# Altium PCB PCB.PcbDoc (continued)
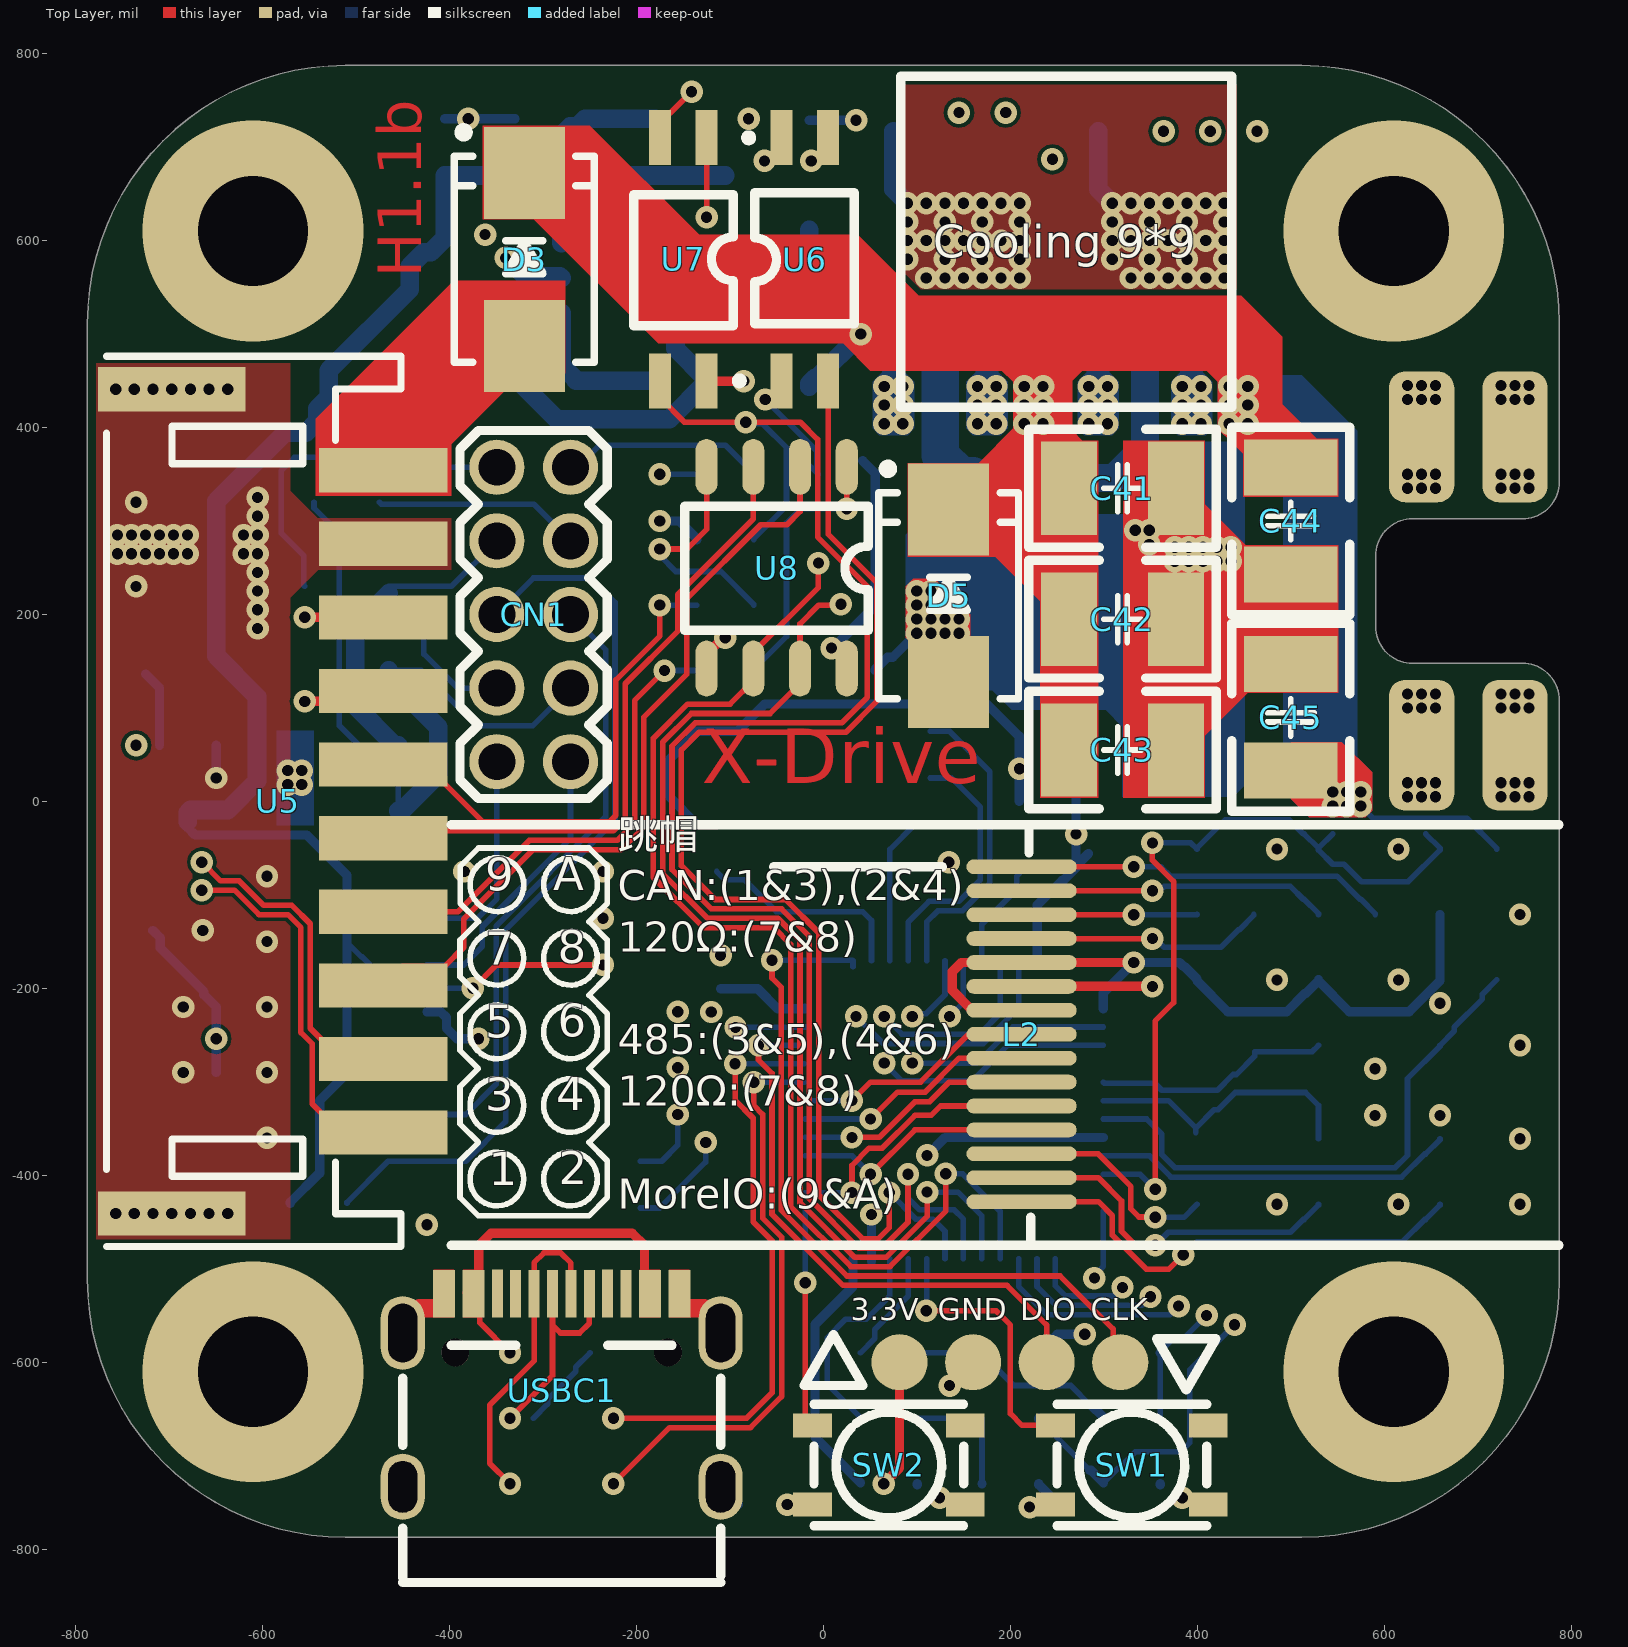
[diagram p0: Top Layer view]
## Footprints (in the part's own frame and the unit in brackets; to place one, negate y for a bottom-side part, rotate by r counter-clockwise, add the part's x,y. Pads: shape width x height; smd on the part's side, far side on the other; paste and mask are expansions set on the pad)
0603_C [mm]
  rect 0.93x0.98 smd: 1(-0.77,0) 2(0.77,0)
  silkscreen extent -1.53,-0.79 1.54,0.79, body extent -0.8,-0.4 0.8,0.4, height 0.3
0603_R [mm]
  rect 0.93x0.98 smd: 1(-0.77,0) 2(0.77,0)
  silkscreen extent -1.53,-0.79 1.54,0.79, body extent -0.85,-0.4 0.85,0.4, height 0.56
0805_R [mm]
  rect 1.16x1.47 smd: 1(-0.89,0) 2(0.89,0)
  silkscreen extent -1.77,-1.04 1.77,1.03, body extent -1,-0.63 1,0.62, height 0.49
1206_C [mm]
  rect 1.13x1.8 smd: 1(-1.49,0) 2(1.49,0)
  silkscreen extent -2.36,-1.2 2.35,1.2, body extent -1.6,-0.81 1.6,0.79, height 1
1206_R [mm]
  rect 1.13x1.8 smd: 1(-1.49,0) 2(1.49,0)
  silkscreen extent -2.36,-1.2 2.35,1.2, body extent -1.7,-0.86 1.65,0.87, height 0.85
A2005WV-2X5P [mm]
  round 1.5 hole 1: 1(-4,1) 2(-4,-1) 3(-2,1) 4(-2,-1) 5(0,1) 6(0,-1) 7(2,1) 8(2,-1) 9(4,1) 10(4,-1)
  silkscreen extent -5,-2 5,2
"C 1210_L" [mil] "无极性贴片电容"
  rect 60x100 smd: 1(-57.09,0) 2(57.09,0)
  silkscreen extent -100,-63 100,63, body extent -63,-51 63,51, height 60
"FU 0805" [mil] "贴片保险丝"
  rect 40x55 smd: 1(-45,0) 2(45,0)
  silkscreen extent -75,-35 75,35, body extent -39,-24 39,24, height 20
KEY-SMD-4P_L4.20-W3.20 [mm]
  rect 1.05x0.65 smd: 1(-2.075,1.075) 2(2.075,1.075) 3(-2.075,-1.075) 4(2.075,-1.075)
  silkscreen extent -2.03,-1.65 2.03,1.65
"L 1206" [mil] "小功率贴片电感"
  rect 50x65 smd: 1(-67.5,0) 2(67.5,0)
  silkscreen extent -105,-45 105,45, body extent -63,-31 63,31, height 35
LQFP48_N [mm] "Thin QFP, 48-Leads, Body 7x7mm, Pitch 0.5mm, IPC Medium Density"
  oval 1.8x0.3 smd: 1(-4.05,2.75) 2(-4.05,2.25) 3(-4.05,1.75) 4(-4.05,1.25) 5(-4.05,0.75) 6(-4.05,0.25) 7(-4.05,-0.25) 8(-4.05,-0.75) 9(-4.05,-1.25) 10(-4.05,-1.75) 11(-4.05,-2.25) 12(-4.05,-2.75) 25(4.05,-2.75) 26(4.05,-2.25) 27(4.05,-1.75) 28(4.05,-1.25) 29(4.05,-0.75) 30(4.05,-0.25) 31(4.05,0.25) 32(4.05,0.75) 33(4.05,1.25) 34(4.05,1.75) 35(4.05,2.25) 36(4.05,2.75)
  oval 0.3x1.8 smd: 13(-2.75,-4.05) 14(-2.25,-4.05) 15(-1.75,-4.05) 16(-1.25,-4.05) 17(-0.75,-4.05) 18(-0.25,-4.05) 19(0.25,-4.05) 20(0.75,-4.05) 21(1.25,-4.05) 22(1.75,-4.05) 23(2.25,-4.05) 24(2.75,-4.05) 37(2.75,4.05) 38(2.25,4.05) 39(1.75,4.05) 40(1.25,4.05) 41(0.75,4.05) 42(0.25,4.05) 43(-0.25,4.05) 44(-0.75,4.05) 45(-1.25,4.05) 46(-1.75,4.05) 47(-2.25,4.05) 48(-2.75,4.05)
  silkscreen extent -4.18,-2.75 2.75,3.57, body extent -3.5,-3.5 3.5,3.5, height 1.6
"PCBComponent_1 - duplicate" [mm]
  oval 3x0.4 smd: 1(-7.747,0.508) 2(-7.747,1.158) 3(-7.747,1.808) 4(-7.747,2.458) 5(-7.747,3.108) 6(-7.747,3.758) 7(-7.747,4.408) 8(-7.747,5.058) 9(-7.747,5.708) 10(-7.747,6.358) 11(-7.747,7.008) 12(-7.747,7.658) 13(-7.747,8.308) 14(-7.747,8.958) 15(-7.747,9.608)
  silkscreen extent -22.35,-0.64 7.75,10.8
PH2.0-WS-10P [mm] "长：24mm，宽：7.6mm，高：5.5mm"
  rect 1.2x4 smd: 0(-11.2,-0.006) 0(11.2,-0.006)
  rect 1.2x3.5 smd: 1(-9,5.744) 2(-7,5.744) 3(-5,5.744) 4(-3,5.744) 5(-1,5.744) 6(1,5.744) 7(3,5.744) 8(5,5.744) 9(7,5.744) 10(9,5.744)
  silkscreen extent -12.1,-1.78 12.1,6.22, body extent -12,-1.65 12,6.95, height 5.55
SMB [mm] "4.7*3.9*2.2mm(长宽高，不包括引脚）"
  rect 2.5x2.2 smd: 1(-2.35,0) 2(2.35,0)
  silkscreen extent -2.8,-1.9 3.57,1.9, body extent -2.63,-1.8 2.67,1.8, height 2.35
SMD-3225_4P [mm]
  rect 1.4x1.15 smd: 1(-1.1,-0.8) 2(1.1,-0.8) 3(1.1,0.8) 4(-1.1,0.8)
  silkscreen extent -2.1,-2.35 2.1,1.7, body extent -1.6,-1.25 1.6,1.25, height 0.61
SOD-323#1 [mm] "1.8x1.3X0.9mm（长宽高，不包括引脚）"
  rect 1x0.8 smd: 1(-1.4,0)
  oct 1x0.8 smd: 2(1.4,0)
  silkscreen extent -2.11,-0.76 2.11,0.76, body extent -1.34,-0.63 1.31,0.67, height 1
SOD-323#2 [mm]
  rect 1x0.83 smd: 1(1.18,0) 2(-1.18,0)
  silkscreen extent -0.4,-0.6 0.4,0.6, body extent -1.35,-0.63 1.35,0.62, height 1.1
SOIC-8_EP_150MIL [mm]
  oval 1.798x0.6 smd: 1(-2.972,1.905) 2(-2.972,0.635) 3(-2.972,-0.635) 4(-2.972,-1.905) 5(2.972,-1.905) 6(2.972,-0.635) 7(2.972,0.635) 8(2.972,1.905)
  rect 3x4 smd: 9(0,0)
  silkscreen extent -2.56,-2.39 1.83,2.84
SOIC-8_L5.0-W4.0-P1.27-LS6.0-BL [mm]
  oval 0.6x1.518 smd: 1(-1.905,-2.74) 2(-0.635,-2.74) 3(0.635,-2.74) 4(1.905,-2.74) 5(1.905,2.74) 6(0.635,2.74) 7(-0.635,2.74) 8(-1.905,2.74)
  silkscreen extent -2.49,-1.67 2.5,1.7
SOIC_8 [mm]
  rect 0.6x1.65 smd: 1(-1.905,-2.9)
  oval 0.6x1.65 smd: 2(-0.635,-2.9) 3(0.635,-2.9) 4(1.905,-2.9) 5(1.905,2.9) 6(0.635,2.9) 7(-0.635,2.9) 8(-1.905,2.9)
  silkscreen extent -2.9,-2.9 2.2,1.6, body extent -2.5,-3.01 2.5,3.01, height 1.75
SOP4 [mm] "间距1.27mm（蒜米工坊）"
  rect 1.5x0.6 smd: 1(3.31,-0.635) 2(3.31,0.635) 3(-3.309,0.635) 4(-3.309,-0.635)
  silkscreen extent -1.81,-1.88 3.4,1.35, body extent -3.5,-1.4 3.5,1.4, height 2.1
SOT-23-3L [mm] "http://www.aosmd.com/res/packaging_information/SOT-23-3L.pdf"
  rect 1.15x0.65 smd: 1(1.475,-0.95) 2(1.475,0.95) 3(-1.475,0)
  silkscreen extent -0.9,-1.95 1.6,1.55, body extent -0.9,-1.55 0.9,1.55, height 1.25
SOT-23-6 [mm]
  rect 1.1x0.6 smd: 1(1.4,-0.95) 2(1.4,0) 3(1.4,0.95) 4(-1.4,0.95) 5(-1.4,0) 6(-1.4,-0.95)
  silkscreen extent -0.5,-1.87 1.72,1.4
USB-C_SMD-TYPE-C-31-M-12 [mm]
  oval 1.2x1.8 hole 0.8 slot 1.4 at 90 deg: 0(-4.32,-2.624) 0(4.32,-2.624)
  oval 1.2x2 hole 0.8 slot 1.6 at 90 deg: 0(-4.32,1.556) 0(4.32,1.556)
  rect 0.3x1.3 smd: A1(-3.35,2.623) A4(-2.55,2.623) A5(-1.25,2.623) A6(-0.25,2.623) A7(0.25,2.623) A8(1.25,2.624) A9(2.55,2.623) A12(3.35,2.623) B1(3.05,2.623) B4(2.25,2.623) B5(1.75,2.623) B6(0.75,2.623) B7(-0.75,2.623) B8(-1.75,2.624) B9(-2.25,2.623) B12(-3.05,2.623)
  round 0.75 hole 0.75 unplated: ""(-2.89,1.026) ""(2.89,1.026)
  silkscreen extent -4.32,-5.23 4.32,1.22

## Part data
C1 C2: library part "0603 20pF (200) 5% 50V", "贴片电容", Package=0603, SuppliersPartNumber=C1648, ComponentLink1Description=供应商链接, ComponentLink1URL=http://www.szlcsc.com/product/details_2000.html, Supplier=LC
C3 C4 C5 C6 C7 C8 C9 C10 C11 C12 C13 C14 C16 C17 C18 C19 C21 C22 C27 C29: library part "0603 100nF (104) 10% 50V", "贴片电容", Package=0603, SuppliersPartNumber=C14663, ComponentLink1Description=供应商链接, ComponentLink1URL=http://www.szlcsc.com/product/details_15331.html, Supplier=LC
C15 C23 C28 C30 C35 C36 C37 C38: library part "0603 10uF (106) 10% 10V", "贴片电容", Package=0603, SuppliersPartNumber=C19702, ComponentLink1Description=供应商链接, ComponentLink1URL=http://www.szlcsc.com/product/details_20411.html, Supplier=LC
C20: library part "0603 100pF (101) 5% 50V", "贴片电容", Package=0603, SuppliersPartNumber=C14858, ComponentLink1Description=供应商链接, ComponentLink1URL=http://www.szlcsc.com/product/details_15530.html, Supplier=LC
C24: library part "1206 10uF (106) 10% 50V", "贴片电容", Package=1206, SuppliersPartNumber=C13585, ComponentLink1Description=供应商链接, ComponentLink1URL=http://www.szlcsc.com/product/details_14236.html, Supplier=LC
C25: library part "1206 4.7uF (475) 10% 50V", "贴片电容", Package=1206, SuppliersPartNumber=C29823, ComponentLink1Description=供应商链接, ComponentLink1URL=http://www.szlcsc.com/product/details_30577.html, Supplier=LC
C31 C32 C33 C34: library part "0603 1uF (105) 10% 50V", "贴片电容", Package=0603, SuppliersPartNumber=C15849, ComponentLink1Description=供应商链接, ComponentLink1URL=http://www.szlcsc.com/product/details_16531.html, Supplier=LC
C41 C42 C43 C44 C45 C46 C47 C48: library part Cap, "贴片电容", LatestRevisionDate=17-Jul-2002, LatestRevisionNote="Re-released for DXP Platform.", PackageDescription="Radial Cap, Thru-Hole; 2 Leads; 0.3 in Pin Spacing", PackageReference=RAD-0.3, Published=8-Jun-2000, Publisher="Altium Limited"
CN1: library part A2005WV-2X5P, "双排插针-2.0mm", BOM_Manufacturer="Changjiang Connectors", BOM_Manufacturer Part=A2005WV-2x5P, BOM_Supplier=LCSC, BOM_Supplier Part=C225290, Contributor=LCSC, spicePre=C, spiceSymbolName=A2005WV-2X5P
D1 D2: "双向ESD", BOM_Manufacturer=SINO-IC, BOM_Manufacturer Part=SESD3Z12C, BOM_Supplier=LCSC, BOM_Supplier Part=C355241, Contributor=LCSC, spicePre=D, spiceSymbolName=SESD3Z12C
D3: library part "SMA(DO-214AC) SS54", "二极管", Package=SMA(DO-214AC), SuppliersPartNumber=C22452, ComponentLink1Description=供应商链接, ComponentLink1URL=http://www.szlcsc.com/product/details_23178.html, Supplier=LC
D4 D6: library part "SOD-323 1N4148WS T4", "二极管", Package=SOD-323, SuppliersPartNumber=C2128, ComponentLink1Description=供应商链接, ComponentLink1URL=http://www.szlcsc.com/product/details_2485.html, Supplier=LC
D5: library part "SMB/DO-214AA P6SMB6.8CA", "TVS", Package=SMB/DO-214AA, SuppliersPartNumber=C78395, ComponentLink1Description=供应商链接, ComponentLink1URL=http://www.szlcsc.com/product/details_79530.html, Supplier=LC
F1 F2: library part "Fuse 2", "自恢复保险丝 200mA", LatestRevisionDate=17-Jul-2002, LatestRevisionNote="Re-released for DXP Platform.", PackageDescription="Thru-Hole; 2 Leads", PackageReference=PIN-W2/E2.8, Published=8-Jun-2000, Publisher="Altium Limited"
F3: library part "Fuse 2", "自恢复保险丝 500mA", LatestRevisionDate=17-Jul-2002, LatestRevisionNote="Re-released for DXP Platform.", PackageDescription="Thru-Hole; 2 Leads", PackageReference=PIN-W2/E2.8, Published=8-Jun-2000, Publisher="Altium Limited"
L1: library part IND, "贴片电感"
R1 R2 R9 R24: library part "0603 10KΩ (1002) 1%", "贴片电阻", Package=0603, SuppliersPartNumber=C25804, ComponentLink1Description=供应商链接, ComponentLink1URL=http://www.szlcsc.com/product/details_26547.html, Supplier=LC
R3 R4 R6 R7 R10 R14 R15 R17 R25: library part "0603 1KΩ (1001) 1%", "贴片电阻", Package=0603, SuppliersPartNumber=C21190, ComponentLink1Description=供应商链接, ComponentLink1URL=http://www.szlcsc.com/product/details_21904.html, Supplier=LC
R5 R8: library part "1206 0.1Ω (R100) 1%", "贴片电阻", Package=1206, SuppliersPartNumber=C25334, ComponentLink1Description=供应商链接, ComponentLink1URL=http://www.szlcsc.com/product/details_26077.html, Supplier=LC
R11 R13 R16 R18: library part "0603 200Ω (2000) 1%", "贴片电阻", Package=0603, SuppliersPartNumber=C8218, ComponentLink1Description=供应商链接, ComponentLink1URL=http://www.szlcsc.com/product/details_8708.html, Supplier=LC
R12: library part "0805 120Ω (1200) 1%", "贴片电阻", Package=0805, SuppliersPartNumber=C17437, ComponentLink1Description=供应商链接, ComponentLink1URL=http://www.szlcsc.com/product/details_18125.html, Supplier=LC
R19 R20: library part "0603 22Ω (22R0) 1%", "贴片电阻", Package=0603, SuppliersPartNumber=C23345, ComponentLink1Description=供应商链接, ComponentLink1URL=http://www.szlcsc.com/product/details_24078.html, Supplier=LC
R21: library part "0603 1.5KΩ (1501) 1%", "贴片电阻", Package=0603, SuppliersPartNumber=C22843, ComponentLink1Description=供应商链接, ComponentLink1URL=http://www.szlcsc.com/product/details_23570.html, Supplier=LC
R22 R23: library part "0603 12KΩ (1202) 1%", "贴片电阻", Package=0603, SuppliersPartNumber=C22790, ComponentLink1Description=供应商链接, ComponentLink1URL=http://www.szlcsc.com/product/details_23517.html, Supplier=LC
R26: library part "0603 1MΩ (1004) 1%", "贴片电阻", Package=0603, SuppliersPartNumber=C22935, ComponentLink1Description=供应商链接, ComponentLink1URL=http://www.szlcsc.com/product/details_23662.html, Supplier=LC
R27: library part "0603 2MΩ (2004) 1%", "贴片电阻", Package=0603, SuppliersPartNumber=C22976, ComponentLink1Description=供应商链接, ComponentLink1URL=http://www.szlcsc.com/product/details_23703.html, Supplier=LC
SW1 SW2: "4脚贴片按键", BOM_Manufacturer=ALPS, BOM_Manufacturer Part=SKRPABE010, BOM_Supplier=LCSC, BOM_Supplier Part=C115360, spicePre=S, spiceSymbolName=SKRPABE010
U1: "STM32 ARM-based 32-bit MCU Performance Line with 128 kB Flash, 20 kB Internal RAM, -40 to +85癈 Temperature, 48-Pin LQFP, Tray", ComponentLink1Description="Manufacturer URL", ComponentLink1URL=http://www.st.com/, ComponentLink2Description="STM32F103 Datasheet", ComponentLink2URL=http://www.st.com/internet/com/TECHNICAL_RESOURCES/TECHNICAL_LITERATURE/DATASHEET/CD00161566.pdf, ComponentLink3Description="STM32 Family Web Page", ComponentLink3URL=www.st.com/stm32, DatasheetVersion="rev13.0, Apr-2011", PackageDescription="48-Pin Low-Profile Quad Flat Pack, 7 x 7 mm Body, 0.5 mm Pitch (LQFP48)", PackageReference=LQFP48, PackageVersion="rev13, Apr-2011"
U2 U3: library part A4950ELJTR-T, "直流电机驱动器", BOM_LCSC Assembly=Yes, BOM_Manufacturer=ALLEGRO, BOM_Manufacturer Part=A4950ELJTR-T, BOM_Supplier=LCSC, BOM_Supplier Part=C82404, SMT Type=Extend, spicePre=U, spiceSymbolName=A4950ELJTR-T
U4: "磁角度传感器"
U5: "贴片PH2.0插座", BOM_Manufacturer=HR, BOM_Manufacturer Part=A2001WR-S-10PD01, BOM_Supplier=LCSC, BOM_Supplier Part=C278796, Contributor=LCSC, spicePre=U
U6 U7: library part EL357N(A)(TA)-G, "光耦", BOM_LCSC Assembly=Yes, BOM_Manufacturer=EVERLIGHT, BOM_Manufacturer Part=EL357N(A)(TA)-G, BOM_Supplier=LCSC, BOM_Supplier Part=C142286, Contributor=LCSC, SMT Type=Extend, spicePre=U, spiceSymbolName=EL357N(A)(TA)-G
U8: library part TLP2160(TP,F), "光耦", BOM_Manufacturer=TOSHIBA, BOM_Manufacturer Part=TLP2160(TP,F), BOM_Supplier=LCSC, BOM_Supplier Part=C393887, Contributor=LCSC, spicePre=U, spiceSymbolName=TLP2160(TP,F)
U9: library part SN75176BDR_[C7063], "RS-485/RS-422", Package=SOIC-8_150mil, SuppliersPartNumber=C7063, ComponentLink1Description=供应商链接, ComponentLink1URL=http://www.szlcsc.com/product/details_7535.html, Supplier=LC
U10: library part CAN/TJA1051T/3_[C38695], "CAN", Package=SOIC-8_150mil, SuppliersPartNumber=C38695, ComponentLink1Description=供应商链接, ComponentLink1URL=http://www.szlcsc.com/product/details_39678.html, Supplier=LC
U11: library part MP2451DT-LF-Z_[C14123], "DC-DC芯片", Package=SOT-23-6, SuppliersPartNumber=C14123, ComponentLink1Description=供应商链接, ComponentLink1URL=http://www.szlcsc.com/product/details_14780.html, Supplier=LC
USBC1: "TYPE-C USB插座", BOM_Manufacturer="Rectangular Connectors - Contacts", BOM_Manufacturer Part=TYPE-C-31-M-12, BOM_Supplier=LCSC, BOM_Supplier Part=C165948, Contributor=LCSC, spicePre=U, spiceSymbolName=TYPE-C-31-M-12
VR1: library part "SOT-23 XC6206P332MR", "低压差线性稳压(LDO)", Package=SOT-23, SuppliersPartNumber=C5446, ComponentLink1Description=供应商链接, ComponentLink1URL=http://www.szlcsc.com/product/details_5896.html, Supplier=LC
Y1: library part "SMD-3225_4P  12MHZ 20PF 10PPM", "贴片晶振", Package=SMD-3225_4P, SuppliersPartNumber=C9002, ComponentLink1Description=供应商链接, ComponentLink1URL=http://www.szlcsc.com/product/details_9522.html, Supplier=LC

## Free pads (board coordinates)
  rrect50% 70x140 smd: 3(640,60) 3(640,390) 3(740,60) 3(740,390)
  oval 40x20 on Mid2 mask+4: 4(150,-65)
  round 60 smd: ""(81.43,-600) ""(160.17,-600) ""(238.91,-600) ""(317.65,-600)

## Via types
v1: diameter 24, hole 12, Top Layer to Bottom Layer, tented both sides, 340 vias
v2: diameter 236.22, hole 118.11, Top Layer to Bottom Layer, 4 vias

## Nets (pads, with @x,y where several pads share a name; then routed paths per layer and width w, separated by ;. In a path a pad name is that pad's centre, name@x,y a point inside that pad or via, vN(x,y) a via of type N, cw(c..) or ccw(c..) an arc to the next point about the centre after c; other vN are vias at no path point)
485_A: CN1.5 R23.1 U9.6 | length 963.7
  Bottom Layer w6: R23.1 -509.69,-429.02 -465.67,-385 U9.6 -382.56,-385 -340,-342.44 -340,-137.43 -223,-20.43 -223,213 -249,239 -310.37,239 CN1.5
485_B: CN1.6 R22.1 U9.7 | length 750.6
  Bottom Layer w6: R22.1 -509.69,-359.02 -494.38,-343.71 -493.39,-343.71 -484.69,-335 U9.7 -382.56,-335 -350,-302.44 -350,-133.28 -233,-16.28 -233,162.37 CN1.6
ALERT+: U5.9 U6.4 | length 1537.9
  Top Layer w6: v1(-665,-65) -645,-85 -625,-85 -598.82,-111.18 -588.68,-111.18 -568.68,-111.18 -549,-130.86 -549,-150.86 -549,-242.71 -516.12,-275.59 U5.9
  Layer 1 w6: v1(-665,-65) -625.32,-65 -581.46,-21.14 -534.92,-21.14 -505,8.78 -505,62.14 -441,126.14 -441,402.39 -399.89,443.5 -221.64,443.5 -195,470.14 -195,615.5 -152,658.5 -89.8,658.5 v1(-63,685.3)
ALERT-: U5.10 U6.3 | length 1687.8
  Top Layer w6: v1(-665,-95) -630.05,-95 -603.87,-121.18 -572.82,-121.18 -559,-135 -559,-247.24 -547,-259.24 -547,-323.45 -516.12,-354.33 U5.10 ; U6.3@-3.81,736.82 5,728.01 U6.3
  Layer 1 w6: v1(-665,-95) -645,-75 -621,-75 -577.14,-31.14 -530.78,-31.14 -495,4.64 -495,58 -431,122 -431,398.24 -395.74,433.5 -217.5,433.5 -185,466 -185,610 -146.5,648.5 -49.8,648.5 v1(-13,685.3)
BOOT0: R1.1 U1.44 | length 109.9
  Bottom Layer w6: U1.44 169.53,-131.49 207,-94.02 207,-80 R1.1@209.69,-77.31
BUTTON_DOWN: SW1.4 U1.20 | length 304.6
  Top Layer w6: v1(110,-545) 184.77,-545 200,-560.23 200,-655 212.68,-667.68 SW1.4
  Bottom Layer w6: v1@110.47,-549.45 U1.20
BUTTON_UP: SW2.4 U1.25 | length 232.6
  Top Layer w6: v1(-19.45,-515) -19.45,-659.92 SW2.4
  Bottom Layer w6: v1(-19.45,-515) U1.25
CAN_H: CN1.1 U10.7 | length 230.2
  Bottom Layer w6: U10.7 -370,-125 -349.37,-104.37 CN1.1
CAN_L: CN1.2 U10.6 | length 304.2
  Bottom Layer w6: U10.6 -384.8,-175 -365,-155.2 -365,-134.14 -270.63,-39.77 CN1.2
CAN_RX: U1.45 U10.4 | length 452.4
  Layer 1 w6: v1(-155.83,-225) -137.14,-206.32 -102.68,-206.32 -79,-230 -70.14,-230 -50.14,-250 45,-250 v1(65,-230)
  Bottom Layer w6: v1(65,-230) 84,-249 166.86,-249 189.21,-226.65 U1.45
CAN_SILENT: U1.2 U10.8 | length 915.5
  Layer 1 w6: v1(-384.17,-75) -364.17,-55 -212.86,-55 -185,-82.86 -185,-169.86 -169.79,-185.07 -86.79,-185.07 -61.86,-210 105,-210 115,-220 115,-260 v1(95,-280)
  Bottom Layer w6: v1(95,-280) 164.14,-280 202.72,-241.42 U1.2
CAN_TX: U1.46 U10.1 | length 638.2
  Layer 1 w6: v1(-235.83,-75) -207,-75 -195,-87 -195,-174 -172.68,-196.32 -89.69,-196.32 -66,-220 -56,-230 v1(35,-230)
  Bottom Layer w6: v1(35,-230) 64,-259 171,-259 208.9,-221.1 U1.46
COM_H: CN1.9 F1.2 U5.3 | length 472.9
  Top Layer w10: v1(-555,197) -470.99,197 U5.3
  Bottom Layer w6: F1.2 -555.99,230.99 -555.99,262.99 -580,287 -580,354 -566,368 -443.5,368 -432.91,357.41 -349.44,357.41 CN1.9 CN1.9@-358.89,367
COM_L: F2.2 U5.4 U7.2 | length 1128.9
  Top Layer w6: U7.2@-175,725.27 -175,728.01 -166.19,736.82 -163.45,736.82 v1(-141,759.27)
  Top Layer w10: v1(-555,107) -481.95,107 U5.4 ; U7.2 U7.2@-175,725.27
  Layer 1 w6: v1(-555,107) -474.28,107 -451,130.28 -451,385.5 -451,406.53 -404.03,453.5 -382.78,453.5 -225.78,453.5 -205,474.28 -205,619.64 -141,683.64 v1(-141,759.27)
DIR+: R16.1 U5.7 | length 519.3
  Top Layer w6: U5.7 -391.14,-118.11 -314.61,-41.57 -220.43,-41.57 -202,-23.14 -202,108 v1(-170,140)
  Bottom Layer w6: v1(-170,140) R16.1
DIR-: U5.8 U8.2 | length 837.5
  Top Layer w6: U5.8 -450.22,-176.23 -404.95,-176.23 -384.8,-156.09 -384.8,-125.91 -310.46,-51.57 -216.29,-51.57 -192,-27.28 -192,90.14 -146,136.14 -146,217 -67,296 -39,296 -25,310 U8.2
DM: R19.2 USBC1.A7 USBC1.B7 | length 345.9
  Top Layer w6: v1(-335.32,-730) -357,-708.32 -357,-646 -309.53,-598.53 USBC1.B7 ; USBC1.B7@-309.53,-526.4 -309.53,-493.53 -299,-483 -281,-483 -270.16,-493.84 USBC1.A7
DP: R20.2 R21.2 USBC1.A6 USBC1.B6 | length 327
  Top Layer w6: v1(-335.32,-660) -289.84,-614.52 -289.84,-560.16 ; USBC1.A6@-289.84,-529.63 -289.84,-560.16 ; USBC1.A6 USBC1.A6@-286.94,-529.63 ; USBC1.B6@-250.47,-527.04 -250.47,-558.47 -260.75,-568.75 -281.25,-568.75 -289.84,-560.16
  Bottom Layer w6: R20.2 -295.01,-644.69 -295.01,-640.01 -264.99,-609.99 -264.99,-605.31 R21.2
ENA+: CN1.10 R13.1 | length 219.1
  Bottom Layer w6: CN1.10 -263.18,357.48 -239.66,381 -104.7,381 -74.69,350.98 R13.1
GND: C1.1 C2.1 C3.2 C4.1 C5.1 C6.1 C7.1 C8.1 C9.1 C10.1 C11.1 C12.1 C13.1 C14.2 C15.2 C16.2 C17.2 C18.2 C22.1 C23.1 C24.1 C25.2 C27.1 C28.1 C29.1 C30.1 C33.1 C34.1 C35.1 C36.1 C37.1 C38.1 C41.1 C42.1 C43.1 C44.1 C45.1 C46.1 C47.1 C48.1 D1.1 D2.1 D4.1 D5.1 L2.6 pad.4 pad.@160.17,-600 R1.2 R5.2 R8.2 R10.2 R14.1 R22.2 R25.1 R27.1 SW1.1 SW1.2 SW2.1 SW2.2 U1.8 U1.23 U1.35 U1.47 U2.1 U2.9 U3.1 U3.9 U4.8 U5.0 U5.2 U8.5 U9.5 U10.2 U11.2 USBC1.0 USBC1.A1 USBC1.A12 USBC1.B1 USBC1.B12 VR1.1 | length 1483.4
  Top Layer w10: U8.5 -125,157.66 -107.54,175.13 v1(-105,175.13) ; USBC1.0@-109.92,-737.75 USBC1.0@-95.35,-752.33 ; L2.6@242,-197.95 v1(352,-197.95)
  Top Layer w20: USBC1.0@-450.08,-568.75 -450.08,-560.37 -432.02,-542.31 USBC1.A1@-415.98,-542.31 ; USBC1.A12@-144.02,-542.31 -127.98,-542.31 USBC1.0@-109.92,-560.37 ; USBC1.0@-109.92,-737.75 USBC1.0@-109.92,-733.32
  Bottom Layer w6: v1(-94.01,-241.85) -93.8,-241.63 -19.67,-241.63 U1.35 ; U1.23@50.98,-489.02 U1.23
  Bottom Layer w10: v1(-649.68,25) C17.2 ; C23.1 C22.1 ; v1@-175.31,300 -154.33,300 -135.31,280.98 R14.1 ; USBC1.0@-109.92,-733.32 -109.92,-735.05 -92.72,-752.25 USBC1.0@-90.99,-752.25 ; C25.2 v1(35,728.66) ; U1.23@51.42,-492 U1.23 v1(51.42,-442) ; C15.2 55.32,140.98 68.62,154.29 74.29,154.29 v1(100,180) ; C6.1@100.32,-730.98 C6.1 ; v1(111,-378.77) 130.24,-359.53 U1.8 ; U1.47 228.93,-170.2 228.93,-110.81 255.45,-84.29 257.01,-84.29 270.03,-71.27 270.03,-69.3 R1.2@270.32,-69.02 ; C11.1 230.32,-730.98 C11.1@243.62,-744.29 ; C9.1 230.32,-589.02 243.62,-575.71 244.61,-575.71 250.32,-570 v1(279.68,-570) ; R1.2 R1.2@270.32,-69.02 ; C37.1 C13.1 v1(270.32,-35) R1.2@270.32,-69.02 ; R1.2@283.62,-55.71 R1.2@270.32,-69.02 ; C12.1@360.32,-730.98 C12.1
  Bottom Layer w20: v1(-340,581.46) -338.92,581.46 -319.27,561.81 -281.93,561.81 U11.2 ; U3.1 75,655 v1(90,640) ; U2.1 294,655 v1(309,640)
  other v1: 220.58,-755 -38.69,-752.33 124.32,-745 384,-745 135,-625 -424.17,-453 -757.22,-440.94 -737.22,-440.94 -717.22,-440.94 -697.22,-440.94 -677.22,-440.94 -657.22,-440.94 -637.22,-440.94 485.31,-431 615.32,-431 745.32,-431 745.32,-361 -595.32,-360 590.32,-336 -685,-290 -595.32,-290 590.32,-286 745.32,-261 -685,-220 -595.32,-220 485.32,-191 615.32,-191 -110,-164.68 -595.27,-150.04 -664,-138.07 -235.83,-125 745.32,-121 -595.32,-80 134.17,-65 485.31,-51 615.32,-51 -573.12,18 -558.12,18 -573.12,33 -558.12,33 115,180 130,180 145,180 -605.32,185 100,195 115,195 130,195 145,195 -605.32,205 100,210 115,210 -605.32,225 100,225 115,225 -735.32,230 -605.32,245 376,257 391,257 406,257 421,257 436,257 -755.32,265 -740.32,265 -725.32,265 -710.32,265 -695.32,265 -680.32,265 -620.32,265 -605.32,265 376,272 391,272 406,272 421,272 436,272 348.66,275 -755.32,285 -740.32,285 -725.32,285 -710.32,285 -695.32,285 -680.32,285 -620.32,285 -605.32,285 333.66,290 348.66,290 -175,300 -605.32,305 -735.32,320 -605.32,325 -757.22,440.94 -737.22,440.94 -717.22,440.94 -697.22,440.94 -677.22,440.94 -657.22,440.94 -637.22,440.94 110,560 130,560 150,560 170,560 190,560 210,560 329,560 349,560 369,560 389,560 409,560 429,560 90,580 130,580 170,580 210,580 309,580 349,580 389,580 429,580 90,600 110,600 130,600 150,600 170,600 190,600 210,600 309,600 329,600 349,600 369,600 389,600 409,600 429,600 -362,606.46 90,620 130,620 170,620 210,620 309,620 349,620 389,620 429,620 110,640 130,640 150,640 170,640 190,640 210,640 329,640 349,640 369,640 389,640 409,640 429,640 -380,730.32 -80,730.31
IN_AM: U1.14 U2.2 | length 1959.9
  Layer 1 w6: v1(350,-530) 346.65,-526.65 346.65,-515.65 310,-479 310,-308.28 400,-218.28 400,-4.72 156.28,239 -21,416.28 -21,608.72 77.28,707 206,707 216,717 v1(364,717)
  Bottom Layer w6: U1.14 228.58,-518.98 248.82,-539.21 340.79,-539.21 v1(350,-530)
IN_AP: U1.15 U2.3 | length 2077.9
  Layer 1 w6: v1(380,-540) 376.56,-536.56 376.56,-528.56 320,-472 320,-312.43 410,-222.43 410,-0.57 160.43,249 -11,420.43 -11,604.57 81.43,697 210.14,697 220.14,707 268,707 278,697 394,697 v1(414,717)
  Bottom Layer w6: U1.15 208.9,-518.98 239.13,-549.21 370.79,-549.21 v1(380,-540)
IN_BM: U1.12 U3.2 | length 1650
  Layer 1 w6: v1(145,737) 79,737 -41,617 -41,408 148,219 222,145 380,-13 380,-210 290,-300 v1(290,-510)
  Bottom Layer w6: v1(290,-510) 290,-506.93 299.45,-497.49 U1.12
IN_BP: U1.13 U3.3 | length 1739.2
  Layer 1 w6: v1(195,737) 175,717 73.14,717 -31,612.86 -31,412.14 -18.28,399.42 152.14,229 390,-8.86 390,-214.14 300,-304.14 300,-483.14 316.56,-499.7 316.56,-516.56 v1(320,-520)
  Bottom Layer w6: U1.13 248.27,-518.37 259.11,-529.21 310.79,-529.21 v1(320,-520)
IN_PWM_A: R6.1 U1.22 | length 226
  Bottom Layer w6: R6.1 39.69,-659.02 4,-623.33 4,-573.97 23.97,-554 46,-554 71.1,-528.9 U1.22
IN_PWM_B: R3.1 U1.21 | length 121.7
  Bottom Layer w6: R3.1 54.99,-574.69 54.99,-565.01 90.79,-529.21 U1.21
MES_H: CN1.3 CN1.7 D1.2 F1.1 | length 520
  Bottom Layer w6: CN1.3 -391.26,121.26 -427.5,157.5 -427.5,192.5 -440.89,205.89 -448,205.89 -465,222.89 F1.1 -398.11,230 CN1.7
  Bottom Layer w20: F1.1@-465,222.5 -501,186.5 -501,102.18 -458.82,60 D1.2
MES_L: CN1.4 D2.2 F2.1 R12.1 | length 794.9
  Bottom Layer w6: R12.1 -545.04,313.9 -518,286.86 -518,81.12 -454.88,18 D2.2 ; F2.1 -430.26,140 -371.26,81 -310.89,81 CN1.4
  Bottom Layer w20: F2.1 -465,132.5 -412,79.5 -412,28.94 -450.94,-10 D2.2
MT6816_CS: U1.38 U4.1 | length 230.4
  Bottom Layer w6: U4.1 -105.36,-83.81 -84.49,-83.81 -50.3,-118 42,-118 51.42,-127.42 U1.38
NetC9_2: C9.2 R3.2 R4.1 | length 229.5
  Bottom Layer w6: R3.2 C9.2 ; C9.2@169.68,-590.98 203.7,-625 264.69,-625 R4.1@285.39,-645.71
  Bottom Layer w10: C9.2@169.68,-590.98 C9.2 ; R4.1@285.39,-645.71 286.38,-645.71 299.69,-659.02 R4.1
NetC11_2: C11.2 R6.2 R7.1 | length 139.4
  Bottom Layer w6: R6.2 R7.1 C11.2
NetC19_1: C19.1 C21.1 U11.1 | length 158.4
  Bottom Layer w20: U11.1 -280.12,466.42 -264.68,450.98 C19.1 C21.1
NetC19_2: C19.2 C21.2 D4.2 L1.1 U11.6 | length 498.2
  Bottom Layer w20: L1.1 -418.75,451.25 -326.57,451.25 C19.2 ; D4.2 -340,510.2 -325.32,495.51 C19.2 ; U11.6 -160.04,522.6 -158.23,520.79 -158.23,484.53 -124.68,450.98 C21.2 -124.68,449.02 -164.7,409 -285.3,409 -325.32,449.02 C19.2
NetC20_2: C20.2 R24.1 R25.2 U11.3 | length 234.2
  Bottom Layer w20: U11.3 -280.12,645.55 -255.98,669.68 C20.2 ; C20.2@-254,669.68 C20.2 ; R25.2 C20.2
NetC25_1: C25.1 D6.2 R26.1 U11.5 | length 245.1